# Altium PCB openservo_tessellated.PcbDoc (part 1 of 13)
Units mm, origin at the board's own origin, x right, y up, seen from the top; angles counter-clockwise.
Board outline 225 x 202.5 mm, 2 copper layers (Top Layer, Bottom Layer); 1250 components, 19 nets, 5300 pads, 1100 vias.
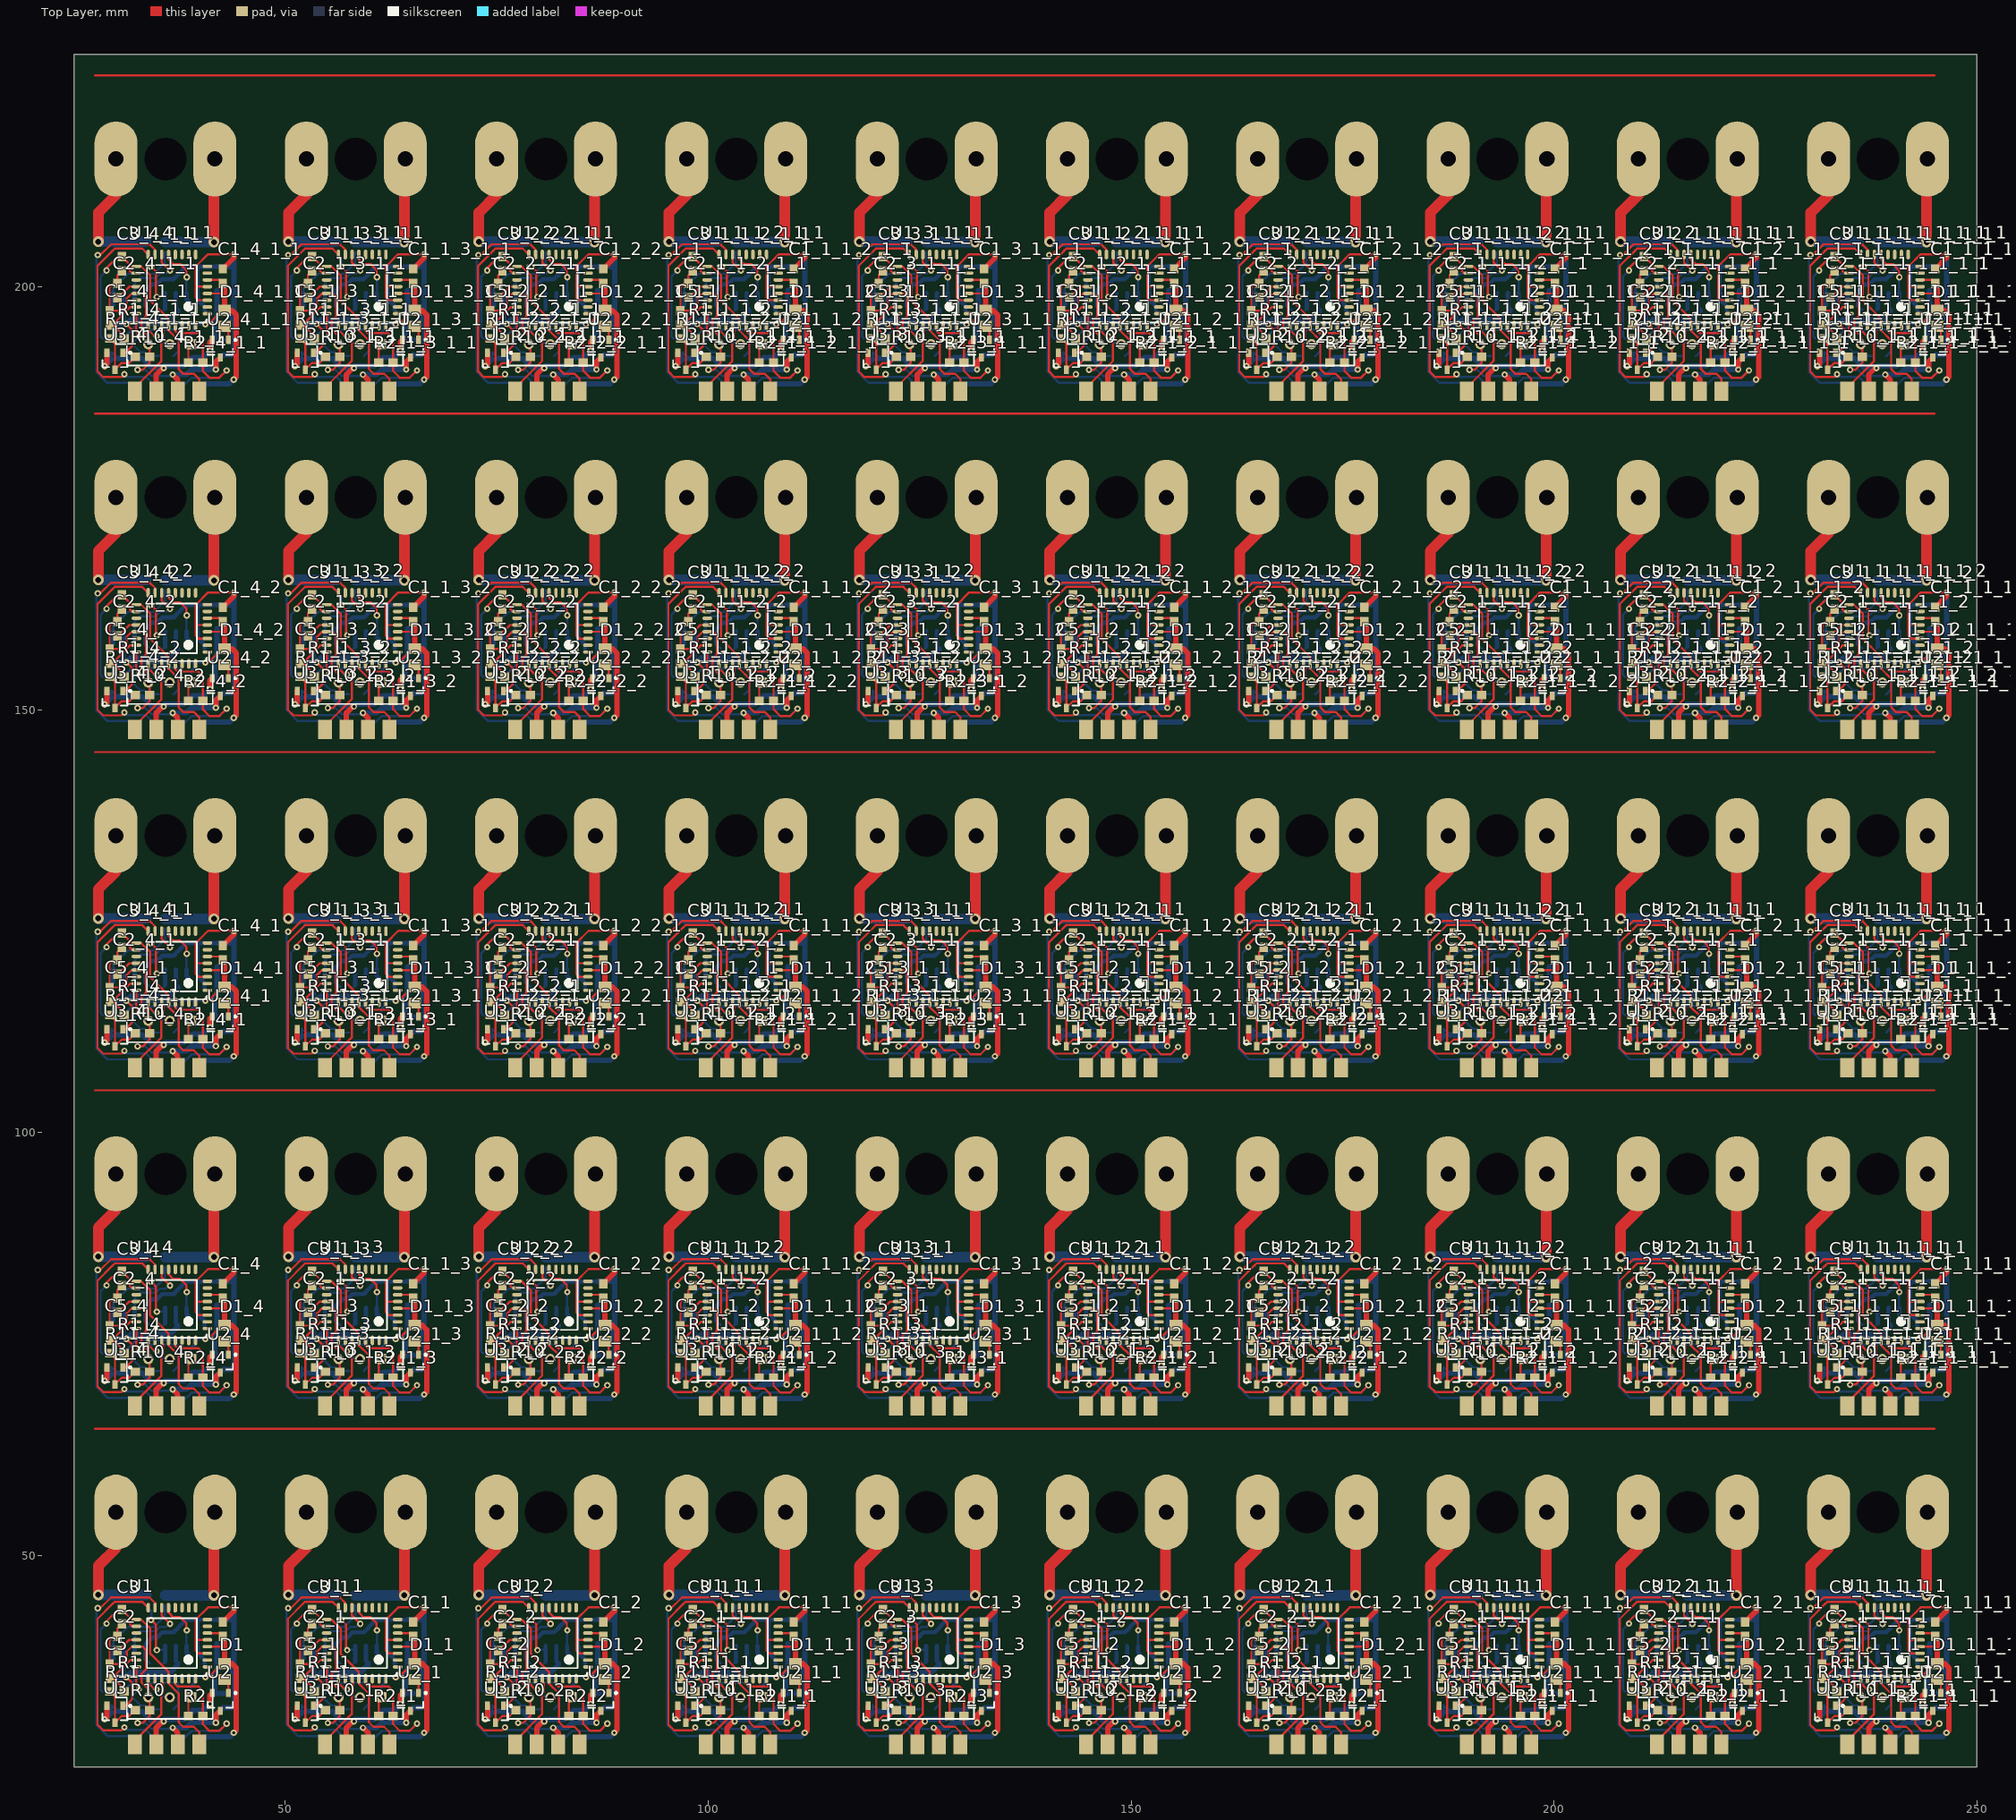
[diagram p0: Top Layer view]
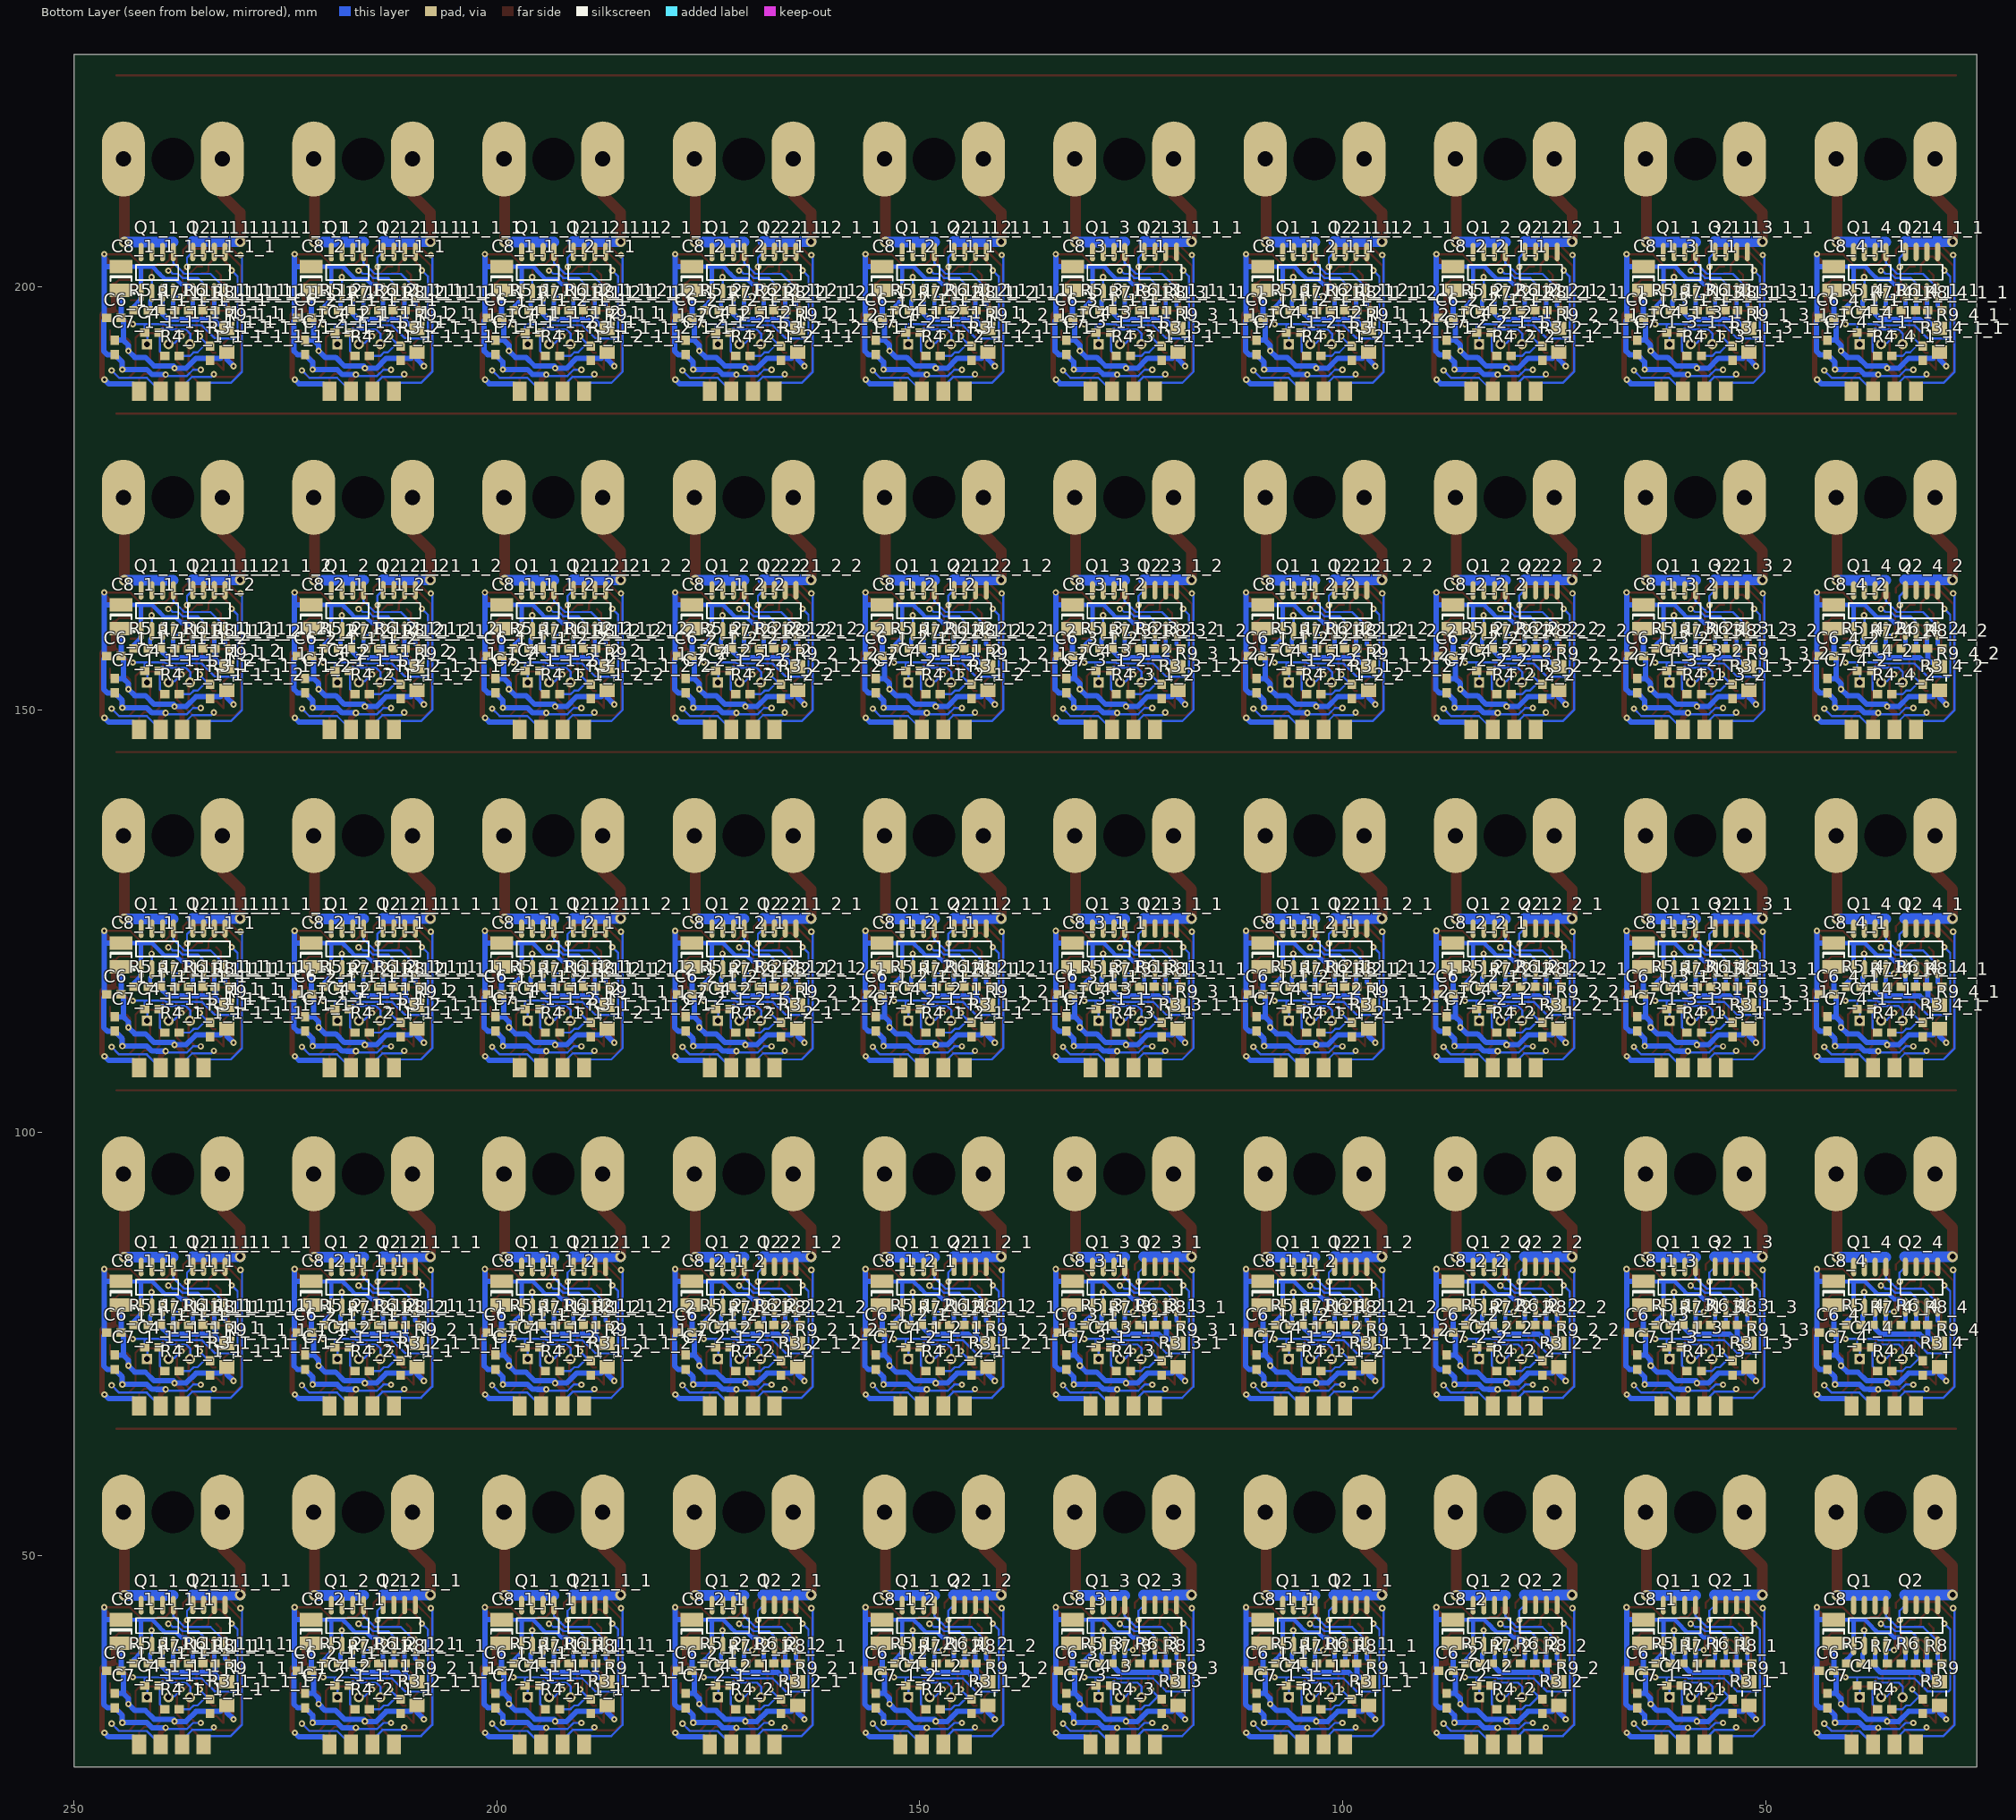
[diagram p1: Bottom Layer view, seen from below]

## Layer stack, top to bottom
Top Layer: signal copper 0.0356
Dielectric: dielectric 0.32, FR-4, Dk 4.8
Bottom Layer: signal copper 0.0356

## Board outline
25,25 25,227.5 250,227.5 250,25 25,25

## Design rules (kind name [scope] priority, off if disabled: settings)
Clearance [All] p1: gap=0.254
ComponentClearance [All] p1 off: gap=0.254 collisioncheckmode=3 verticalgap=0.254 showdistances=FALSE
Height [All] p1 off: minheight=0 maxheight=25.4 prefheight=12.7
HoleSize [All] p1: absolutevalues=TRUE maxlimit=5.08 minlimit=0.025 maxpercent=80.000 minpercent=20.000
MinimumSolderMaskSliver [All] p1 off: minsoldermaskwidth=0.254
PasteMaskExpansion [All] p1 off: expansion=0
PolygonConnect [All] p1: connectstyle=Relief reliefconductorwidth=0.254 reliefentries=4 polygonreliefangle="90 Angle"
RoutingVias [All] p1: holewidth=0.711 width=1.27 viastyle="Through Hole" minholewidth=0.3 minwidth=0.762 maxholewidth=0.711 maxwidth=1.27
SilkToSilkClearance [All] p1 off: silktosilkclearance=0.254
SilkscreenOverComponentPads [All] p1 off: minsilkscreentomaskgap=0.254
SolderMaskExpansion [All] p1 off: expansion=0.102
TestPointUsage [All] p1: valid=0 allowmultiple=FALSE
Testpoint [All] p1: side=15 testpointundercomponent=TRUE minsize=1.016 maxsize=2.54 preferedsize=1.524 minholesize=0 maxholesize=1.016 preferedholesize=0.813 testpointgrid=0.025 style=1023 order=0123456789
Width [All] p1: maxlimit=1.27 minlimit=0.254 preferedwidth=0.254
17 further rules are at their usual default settings.

## Classes and differential pairs
component class openservo: C1 C2 C3 C4 C5 C6 C7 C8 D1 Q1 Q2 R1 R2 R3 R4 R5 R6 R7 R8 R9 R10 R11 U1 U2 U3

## Components (designator, comment, footprint, x,y, rotation, side; value= is the part's Value field where it differs from the comment)
C1 "Cap" J1-0603 42.596,41.275 r90 top
C1_1 "Cap" J1-0603 65.096,41.275 r90 top (schematic designator C1)
C1_1_1 "Cap" J1-0603 110.096,41.275 r90 top (schematic designator C1)
C1_1_1_1 "Cap" J1-0603 200.096,41.275 r90 top (schematic designator C1)
C1_1_1_1_1 "Cap" J1-0603 245.096,41.275 r90 top (schematic designator C1)
C1_1_1_1_1_1 "Cap" J1-0603 245.096,81.275 r90 top (schematic designator C1)
C1_1_1_1_1_1_1 "Cap" J1-0603 245.096,121.275 r90 top (schematic designator C1)
C1_1_1_1_1_1_1_1 "Cap" J1-0603 245.096,201.275 r90 top (schematic designator C1)
C1_1_1_1_1_1_2 "Cap" J1-0603 245.096,161.275 r90 top (schematic designator C1)
C1_1_1_1_2 "Cap" J1-0603 200.096,81.275 r90 top (schematic designator C1)
C1_1_1_1_2_1 "Cap" J1-0603 200.096,121.275 r90 top (schematic designator C1)
C1_1_1_1_2_1_1 "Cap" J1-0603 200.096,201.275 r90 top (schematic designator C1)
C1_1_1_1_2_2 "Cap" J1-0603 200.096,161.275 r90 top (schematic designator C1)
C1_1_1_2 "Cap" J1-0603 110.096,81.275 r90 top (schematic designator C1)
C1_1_1_2_1 "Cap" J1-0603 110.096,121.275 r90 top (schematic designator C1)
C1_1_1_2_1_1 "Cap" J1-0603 110.096,201.275 r90 top (schematic designator C1)
C1_1_1_2_2 "Cap" J1-0603 110.096,161.275 r90 top (schematic designator C1)
C1_1_2 "Cap" J1-0603 155.096,41.275 r90 top (schematic designator C1)
C1_1_2_1 "Cap" J1-0603 155.096,81.275 r90 top (schematic designator C1)
C1_1_2_1_1 "Cap" J1-0603 155.096,121.275 r90 top (schematic designator C1)
C1_1_2_1_1_1 "Cap" J1-0603 155.096,201.275 r90 top (schematic designator C1)
C1_1_2_1_2 "Cap" J1-0603 155.096,161.275 r90 top (schematic designator C1)
C1_1_3 "Cap" J1-0603 65.096,81.275 r90 top (schematic designator C1)
C1_1_3_1 "Cap" J1-0603 65.096,121.275 r90 top (schematic designator C1)
C1_1_3_1_1 "Cap" J1-0603 65.096,201.275 r90 top (schematic designator C1)
C1_1_3_2 "Cap" J1-0603 65.096,161.275 r90 top (schematic designator C1)
C1_2 "Cap" J1-0603 87.596,41.275 r90 top (schematic designator C1)
C1_2_1 "Cap" J1-0603 177.596,41.275 r90 top (schematic designator C1)
C1_2_1_1 "Cap" J1-0603 222.596,41.275 r90 top (schematic designator C1)
C1_2_1_1_1 "Cap" J1-0603 222.596,81.275 r90 top (schematic designator C1)
C1_2_1_1_1_1 "Cap" J1-0603 222.596,121.275 r90 top (schematic designator C1)
C1_2_1_1_1_1_1 "Cap" J1-0603 222.596,201.275 r90 top (schematic designator C1)
C1_2_1_1_1_2 "Cap" J1-0603 222.596,161.275 r90 top (schematic designator C1)
C1_2_1_2 "Cap" J1-0603 177.596,81.275 r90 top (schematic designator C1)
C1_2_1_2_1 "Cap" J1-0603 177.596,121.275 r90 top (schematic designator C1)
C1_2_1_2_1_1 "Cap" J1-0603 177.596,201.275 r90 top (schematic designator C1)
C1_2_1_2_2 "Cap" J1-0603 177.596,161.275 r90 top (schematic designator C1)
C1_2_2 "Cap" J1-0603 87.596,81.275 r90 top (schematic designator C1)
C1_2_2_1 "Cap" J1-0603 87.596,121.275 r90 top (schematic designator C1)
C1_2_2_1_1 "Cap" J1-0603 87.596,201.275 r90 top (schematic designator C1)
C1_2_2_2 "Cap" J1-0603 87.596,161.275 r90 top (schematic designator C1)
C1_3 "Cap" J1-0603 132.596,41.275 r90 top (schematic designator C1)
C1_3_1 "Cap" J1-0603 132.596,81.275 r90 top (schematic designator C1)
C1_3_1_1 "Cap" J1-0603 132.596,121.275 r90 top (schematic designator C1)
C1_3_1_1_1 "Cap" J1-0603 132.596,201.275 r90 top (schematic designator C1)
C1_3_1_2 "Cap" J1-0603 132.596,161.275 r90 top (schematic designator C1)
C1_4 "Cap" J1-0603 42.596,81.275 r90 top (schematic designator C1)
C1_4_1 "Cap" J1-0603 42.596,121.275 r90 top (schematic designator C1)
C1_4_1_1 "Cap" J1-0603 42.596,201.275 r90 top (schematic designator C1)
C1_4_2 "Cap" J1-0603 42.596,161.275 r90 top (schematic designator C1)
C2 "Cap" J1-0603 30.15,39.573 r90 top
C2_1 "Cap" J1-0603 52.65,39.573 r90 top (schematic designator C2)
C2_1_1 "Cap" J1-0603 97.65,39.573 r90 top (schematic designator C2)
C2_1_1_1 "Cap" J1-0603 187.65,39.573 r90 top (schematic designator C2)
C2_1_1_1_1 "Cap" J1-0603 232.65,39.573 r90 top (schematic designator C2)
C2_1_1_1_1_1 "Cap" J1-0603 232.65,79.573 r90 top (schematic designator C2)
C2_1_1_1_1_1_1 "Cap" J1-0603 232.65,119.573 r90 top (schematic designator C2)
C2_1_1_1_1_1_1_1 "Cap" J1-0603 232.65,199.573 r90 top (schematic designator C2)
C2_1_1_1_1_1_2 "Cap" J1-0603 232.65,159.573 r90 top (schematic designator C2)
C2_1_1_1_2 "Cap" J1-0603 187.65,79.573 r90 top (schematic designator C2)
C2_1_1_1_2_1 "Cap" J1-0603 187.65,119.573 r90 top (schematic designator C2)
C2_1_1_1_2_1_1 "Cap" J1-0603 187.65,199.573 r90 top (schematic designator C2)
C2_1_1_1_2_2 "Cap" J1-0603 187.65,159.573 r90 top (schematic designator C2)
C2_1_1_2 "Cap" J1-0603 97.65,79.573 r90 top (schematic designator C2)
C2_1_1_2_1 "Cap" J1-0603 97.65,119.573 r90 top (schematic designator C2)
C2_1_1_2_1_1 "Cap" J1-0603 97.65,199.573 r90 top (schematic designator C2)
C2_1_1_2_2 "Cap" J1-0603 97.65,159.573 r90 top (schematic designator C2)
C2_1_2 "Cap" J1-0603 142.65,39.573 r90 top (schematic designator C2)
C2_1_2_1 "Cap" J1-0603 142.65,79.573 r90 top (schematic designator C2)
C2_1_2_1_1 "Cap" J1-0603 142.65,119.573 r90 top (schematic designator C2)
C2_1_2_1_1_1 "Cap" J1-0603 142.65,199.573 r90 top (schematic designator C2)
C2_1_2_1_2 "Cap" J1-0603 142.65,159.573 r90 top (schematic designator C2)
C2_1_3 "Cap" J1-0603 52.65,79.573 r90 top (schematic designator C2)
C2_1_3_1 "Cap" J1-0603 52.65,119.573 r90 top (schematic designator C2)
C2_1_3_1_1 "Cap" J1-0603 52.65,199.573 r90 top (schematic designator C2)
C2_1_3_2 "Cap" J1-0603 52.65,159.573 r90 top (schematic designator C2)
C2_2 "Cap" J1-0603 75.15,39.573 r90 top (schematic designator C2)
C2_2_1 "Cap" J1-0603 165.15,39.573 r90 top (schematic designator C2)
C2_2_1_1 "Cap" J1-0603 210.15,39.573 r90 top (schematic designator C2)
C2_2_1_1_1 "Cap" J1-0603 210.15,79.573 r90 top (schematic designator C2)
C2_2_1_1_1_1 "Cap" J1-0603 210.15,119.573 r90 top (schematic designator C2)
C2_2_1_1_1_1_1 "Cap" J1-0603 210.15,199.573 r90 top (schematic designator C2)
C2_2_1_1_1_2 "Cap" J1-0603 210.15,159.573 r90 top (schematic designator C2)
C2_2_1_2 "Cap" J1-0603 165.15,79.573 r90 top (schematic designator C2)
C2_2_1_2_1 "Cap" J1-0603 165.15,119.573 r90 top (schematic designator C2)
C2_2_1_2_1_1 "Cap" J1-0603 165.15,199.573 r90 top (schematic designator C2)
C2_2_1_2_2 "Cap" J1-0603 165.15,159.573 r90 top (schematic designator C2)
C2_2_2 "Cap" J1-0603 75.15,79.573 r90 top (schematic designator C2)
C2_2_2_1 "Cap" J1-0603 75.15,119.573 r90 top (schematic designator C2)
C2_2_2_1_1 "Cap" J1-0603 75.15,199.573 r90 top (schematic designator C2)
C2_2_2_2 "Cap" J1-0603 75.15,159.573 r90 top (schematic designator C2)
C2_3 "Cap" J1-0603 120.15,39.573 r90 top (schematic designator C2)
C2_3_1 "Cap" J1-0603 120.15,79.573 r90 top (schematic designator C2)
C2_3_1_1 "Cap" J1-0603 120.15,119.573 r90 top (schematic designator C2)
C2_3_1_1_1 "Cap" J1-0603 120.15,199.573 r90 top (schematic designator C2)
C2_3_1_2 "Cap" J1-0603 120.15,159.573 r90 top (schematic designator C2)
C2_4 "Cap" J1-0603 30.15,79.573 r90 top (schematic designator C2)
C2_4_1 "Cap" J1-0603 30.15,119.573 r90 top (schematic designator C2)
C2_4_1_1 "Cap" J1-0603 30.15,199.573 r90 top (schematic designator C2)
C2_4_2 "Cap" J1-0603 30.15,159.573 r90 top (schematic designator C2)
C3 "Cap" J1-0603 30.658,42.748 r270 top
C3_1 "Cap" J1-0603 53.158,42.748 r270 top (schematic designator C3)
C3_1_1 "Cap" J1-0603 98.158,42.748 r270 top (schematic designator C3)
C3_1_1_1 "Cap" J1-0603 188.158,42.748 r270 top (schematic designator C3)
C3_1_1_1_1 "Cap" J1-0603 233.158,42.748 r270 top (schematic designator C3)
C3_1_1_1_1_1 "Cap" J1-0603 233.158,82.748 r270 top (schematic designator C3)
C3_1_1_1_1_1_1 "Cap" J1-0603 233.158,122.748 r270 top (schematic designator C3)
C3_1_1_1_1_1_1_1 "Cap" J1-0603 233.158,202.748 r270 top (schematic designator C3)
C3_1_1_1_1_1_2 "Cap" J1-0603 233.158,162.748 r270 top (schematic designator C3)
C3_1_1_1_2 "Cap" J1-0603 188.158,82.748 r270 top (schematic designator C3)
C3_1_1_1_2_1 "Cap" J1-0603 188.158,122.748 r270 top (schematic designator C3)
C3_1_1_1_2_1_1 "Cap" J1-0603 188.158,202.748 r270 top (schematic designator C3)
C3_1_1_1_2_2 "Cap" J1-0603 188.158,162.748 r270 top (schematic designator C3)
C3_1_1_2 "Cap" J1-0603 98.158,82.748 r270 top (schematic designator C3)
C3_1_1_2_1 "Cap" J1-0603 98.158,122.748 r270 top (schematic designator C3)
C3_1_1_2_1_1 "Cap" J1-0603 98.158,202.748 r270 top (schematic designator C3)
C3_1_1_2_2 "Cap" J1-0603 98.158,162.748 r270 top (schematic designator C3)
C3_1_2 "Cap" J1-0603 143.158,42.748 r270 top (schematic designator C3)
C3_1_2_1 "Cap" J1-0603 143.158,82.748 r270 top (schematic designator C3)
C3_1_2_1_1 "Cap" J1-0603 143.158,122.748 r270 top (schematic designator C3)
C3_1_2_1_1_1 "Cap" J1-0603 143.158,202.748 r270 top (schematic designator C3)
C3_1_2_1_2 "Cap" J1-0603 143.158,162.748 r270 top (schematic designator C3)
C3_1_3 "Cap" J1-0603 53.158,82.748 r270 top (schematic designator C3)
C3_1_3_1 "Cap" J1-0603 53.158,122.748 r270 top (schematic designator C3)
C3_1_3_1_1 "Cap" J1-0603 53.158,202.748 r270 top (schematic designator C3)
C3_1_3_2 "Cap" J1-0603 53.158,162.748 r270 top (schematic designator C3)
C3_2 "Cap" J1-0603 75.658,42.748 r270 top (schematic designator C3)
C3_2_1 "Cap" J1-0603 165.658,42.748 r270 top (schematic designator C3)
C3_2_1_1 "Cap" J1-0603 210.658,42.748 r270 top (schematic designator C3)
C3_2_1_1_1 "Cap" J1-0603 210.658,82.748 r270 top (schematic designator C3)
C3_2_1_1_1_1 "Cap" J1-0603 210.658,122.748 r270 top (schematic designator C3)
C3_2_1_1_1_1_1 "Cap" J1-0603 210.658,202.748 r270 top (schematic designator C3)
C3_2_1_1_1_2 "Cap" J1-0603 210.658,162.748 r270 top (schematic designator C3)
C3_2_1_2 "Cap" J1-0603 165.658,82.748 r270 top (schematic designator C3)
C3_2_1_2_1 "Cap" J1-0603 165.658,122.748 r270 top (schematic designator C3)
C3_2_1_2_1_1 "Cap" J1-0603 165.658,202.748 r270 top (schematic designator C3)
C3_2_1_2_2 "Cap" J1-0603 165.658,162.748 r270 top (schematic designator C3)
C3_2_2 "Cap" J1-0603 75.658,82.748 r270 top (schematic designator C3)
C3_2_2_1 "Cap" J1-0603 75.658,122.748 r270 top (schematic designator C3)
C3_2_2_1_1 "Cap" J1-0603 75.658,202.748 r270 top (schematic designator C3)
C3_2_2_2 "Cap" J1-0603 75.658,162.748 r270 top (schematic designator C3)
C3_3 "Cap" J1-0603 120.658,42.748 r270 top (schematic designator C3)
C3_3_1 "Cap" J1-0603 120.658,82.748 r270 top (schematic designator C3)
C3_3_1_1 "Cap" J1-0603 120.658,122.748 r270 top (schematic designator C3)
C3_3_1_1_1 "Cap" J1-0603 120.658,202.748 r270 top (schematic designator C3)
C3_3_1_2 "Cap" J1-0603 120.658,162.748 r270 top (schematic designator C3)
C3_4 "Cap" J1-0603 30.658,82.748 r270 top (schematic designator C3)
C3_4_1 "Cap" J1-0603 30.658,122.748 r270 top (schematic designator C3)
C3_4_1_1 "Cap" J1-0603 30.658,202.748 r270 top (schematic designator C3)
C3_4_2 "Cap" J1-0603 30.658,162.748 r270 top (schematic designator C3)
C4 "Cap" J1-0603 38.303,34.595 r180 bottom
C4_1 "Cap" J1-0603 60.803,34.595 r180 bottom (schematic designator C4)
C4_1_1 "Cap" J1-0603 105.803,34.595 r180 bottom (schematic designator C4)
C4_1_1_1 "Cap" J1-0603 195.803,34.595 r180 bottom (schematic designator C4)
C4_1_1_1_1 "Cap" J1-0603 240.803,34.595 r180 bottom (schematic designator C4)
C4_1_1_1_1_1 "Cap" J1-0603 240.803,74.595 r180 bottom (schematic designator C4)
C4_1_1_1_1_1_1 "Cap" J1-0603 240.803,114.595 r180 bottom (schematic designator C4)
C4_1_1_1_1_1_1_1 "Cap" J1-0603 240.803,194.595 r180 bottom (schematic designator C4)
C4_1_1_1_1_1_2 "Cap" J1-0603 240.803,154.595 r180 bottom (schematic designator C4)
C4_1_1_1_2 "Cap" J1-0603 195.803,74.595 r180 bottom (schematic designator C4)
C4_1_1_1_2_1 "Cap" J1-0603 195.803,114.595 r180 bottom (schematic designator C4)
C4_1_1_1_2_1_1 "Cap" J1-0603 195.803,194.595 r180 bottom (schematic designator C4)
C4_1_1_1_2_2 "Cap" J1-0603 195.803,154.595 r180 bottom (schematic designator C4)
C4_1_1_2 "Cap" J1-0603 105.803,74.595 r180 bottom (schematic designator C4)
C4_1_1_2_1 "Cap" J1-0603 105.803,114.595 r180 bottom (schematic designator C4)
C4_1_1_2_1_1 "Cap" J1-0603 105.803,194.595 r180 bottom (schematic designator C4)
C4_1_1_2_2 "Cap" J1-0603 105.803,154.595 r180 bottom (schematic designator C4)
C4_1_2 "Cap" J1-0603 150.803,34.595 r180 bottom (schematic designator C4)
C4_1_2_1 "Cap" J1-0603 150.803,74.595 r180 bottom (schematic designator C4)
C4_1_2_1_1 "Cap" J1-0603 150.803,114.595 r180 bottom (schematic designator C4)
C4_1_2_1_1_1 "Cap" J1-0603 150.803,194.595 r180 bottom (schematic designator C4)
C4_1_2_1_2 "Cap" J1-0603 150.803,154.595 r180 bottom (schematic designator C4)
C4_1_3 "Cap" J1-0603 60.803,74.595 r180 bottom (schematic designator C4)
C4_1_3_1 "Cap" J1-0603 60.803,114.595 r180 bottom (schematic designator C4)
C4_1_3_1_1 "Cap" J1-0603 60.803,194.595 r180 bottom (schematic designator C4)
C4_1_3_2 "Cap" J1-0603 60.803,154.595 r180 bottom (schematic designator C4)
C4_2 "Cap" J1-0603 83.303,34.595 r180 bottom (schematic designator C4)
C4_2_1 "Cap" J1-0603 173.303,34.595 r180 bottom (schematic designator C4)
C4_2_1_1 "Cap" J1-0603 218.303,34.595 r180 bottom (schematic designator C4)
C4_2_1_1_1 "Cap" J1-0603 218.303,74.595 r180 bottom (schematic designator C4)
C4_2_1_1_1_1 "Cap" J1-0603 218.303,114.595 r180 bottom (schematic designator C4)
C4_2_1_1_1_1_1 "Cap" J1-0603 218.303,194.595 r180 bottom (schematic designator C4)
C4_2_1_1_1_2 "Cap" J1-0603 218.303,154.595 r180 bottom (schematic designator C4)
C4_2_1_2 "Cap" J1-0603 173.303,74.595 r180 bottom (schematic designator C4)
C4_2_1_2_1 "Cap" J1-0603 173.303,114.595 r180 bottom (schematic designator C4)
C4_2_1_2_1_1 "Cap" J1-0603 173.303,194.595 r180 bottom (schematic designator C4)
C4_2_1_2_2 "Cap" J1-0603 173.303,154.595 r180 bottom (schematic designator C4)
C4_2_2 "Cap" J1-0603 83.303,74.595 r180 bottom (schematic designator C4)
C4_2_2_1 "Cap" J1-0603 83.303,114.595 r180 bottom (schematic designator C4)
C4_2_2_1_1 "Cap" J1-0603 83.303,194.595 r180 bottom (schematic designator C4)
C4_2_2_2 "Cap" J1-0603 83.303,154.595 r180 bottom (schematic designator C4)
C4_3 "Cap" J1-0603 128.303,34.595 r180 bottom (schematic designator C4)
C4_3_1 "Cap" J1-0603 128.303,74.595 r180 bottom (schematic designator C4)
C4_3_1_1 "Cap" J1-0603 128.303,114.595 r180 bottom (schematic designator C4)
C4_3_1_1_1 "Cap" J1-0603 128.303,194.595 r180 bottom (schematic designator C4)
C4_3_1_2 "Cap" J1-0603 128.303,154.595 r180 bottom (schematic designator C4)
C4_4 "Cap" J1-0603 38.303,74.595 r180 bottom (schematic designator C4)
C4_4_1 "Cap" J1-0603 38.303,114.595 r180 bottom (schematic designator C4)